# KiCad board AMC_FMC_Carrier-PcbDoc.kicad_pcb (continued)
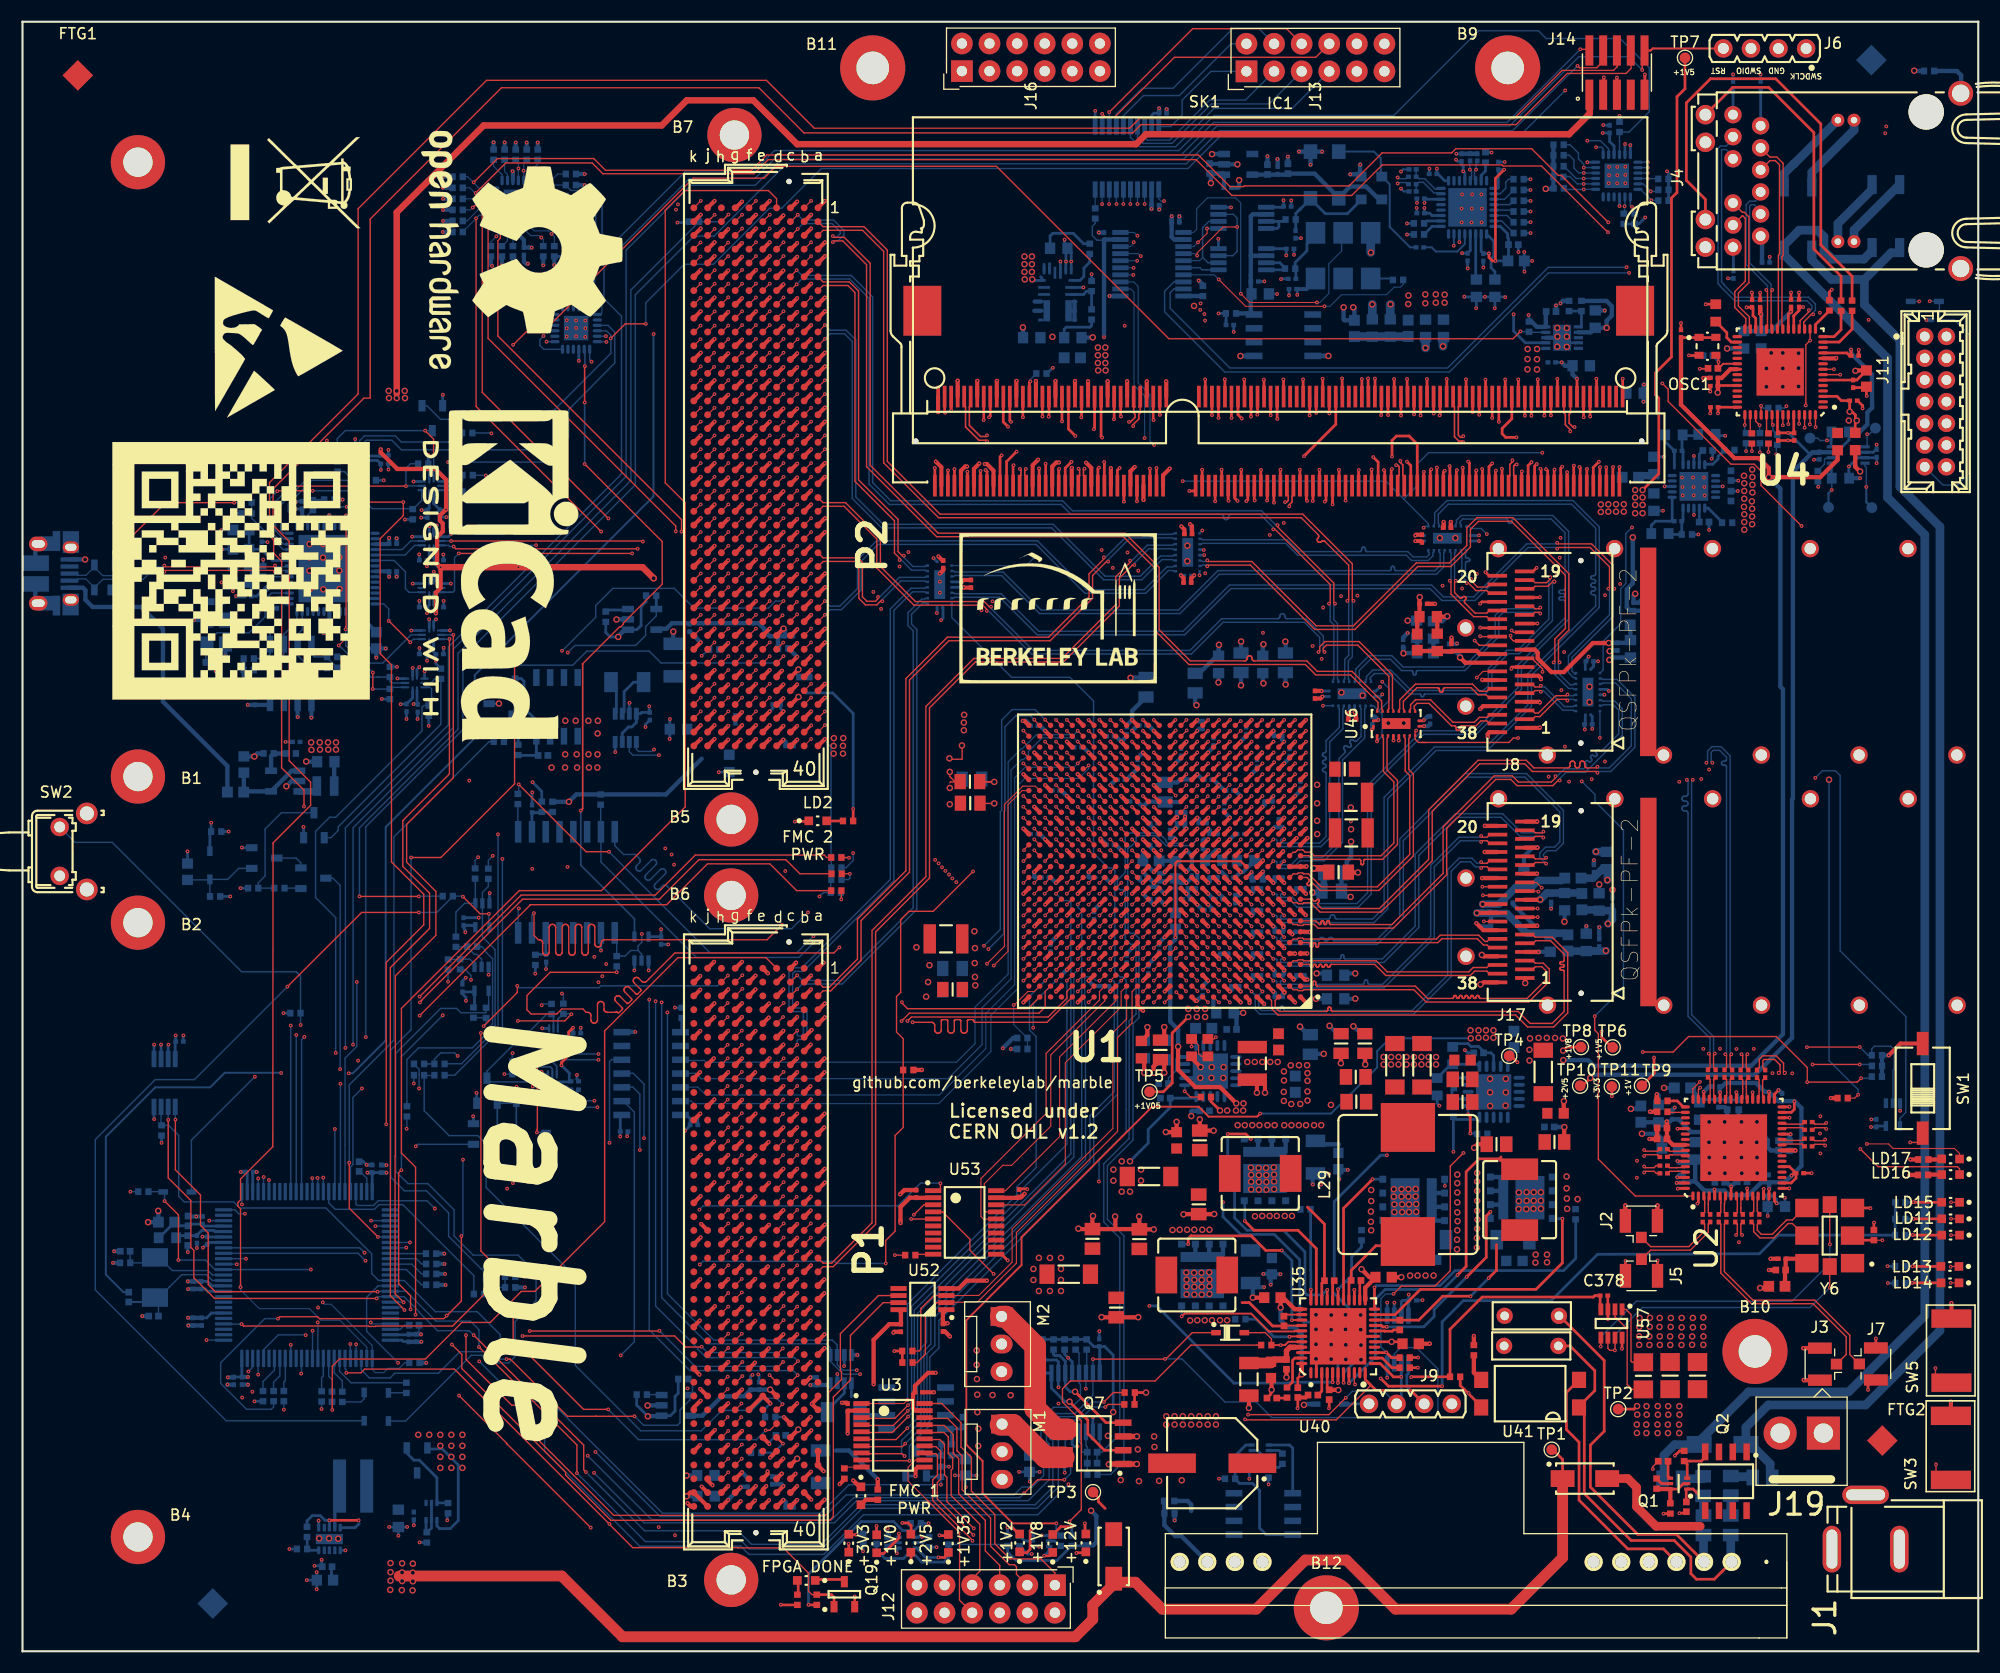
[diagram p0: board, top side]
## Routing (per net, layer and track width the routed paths; a pad name or vN(x,y) marks a point on that pad's centre or on a via; arc(x,y) is an arc through that point) (continued)
/FPGA/QSFP1_TX_2_P: length 39.9
  Top w0.13: U1.A4 114.95,59.9 114.95,59.16 115.55,58.57 137.42,58.57 138.52,57.47 140.92,57.47 142.22,58.76 142.22,64.3 140.77,65.74 139.21,65.74 138.98,65.97 J17.6
/FPGA/QSFP1_TX_3_N: length 19.8
  Top w0.13: U1.F1 118.37,65.23 118.4,65.23 118.43,65.22 118.46,65.2 118.48,65.18 118.49,65.16 118.5,65.13 118.5,65.1 118.5,64.95 118.51,64.92 118.52,64.89 118.53,64.86 118.55,64.84 118.58,64.83 118.61,64.82 118.63,64.82 118.66,64.82 118.69,64.83 118.72,64.84 118.74,64.86 118.75,64.89 118.76,64.92 118.76,64.95 118.76,65.1 118.77,65.13 118.78,65.16 118.79,65.18 118.81,65.2 118.84,65.22 118.87,65.23 118.89,65.23 118.92,65.23 118.95,65.22 118.98,65.2 119,65.18 119.01,65.16 119.02,65.13 119.02,65.1 119.02,64.95 119.03,64.92 119.04,64.89 119.05,64.86 119.07,64.84 119.1,64.83 119.13,64.82 119.15,64.82 119.18,64.82 119.21,64.83 119.24,64.84 119.26,64.86 119.27,64.89 119.28,64.92 119.28,64.95 119.28,65.1 119.29,65.13 119.3,65.16 119.31,65.18 119.33,65.2 119.36,65.22 119.39,65.23 119.41,65.23 130.27,65.23 130.62,65.59 133.89,65.59 134.47,65.01 134.8,65.01 135.03,64.77 J17.34
/FPGA/QSFP1_TX_3_P: length 19.8
  Top w0.13: U1.F2 116.95,65.56 117.33,65.56 117.42,65.65 117.82,65.65 117.91,65.56 130.13,65.56 130.48,65.92 134.03,65.92 134.6,65.34 134.8,65.34 135.03,65.57 J17.33
/FPGA/QSFP2_INT: length 52.5
  Top w0.127: J8.28 134.08,92.6 ; 134.08,92.6 134.05,92.63 ; 134.08,92.6 v1(133.65,93.03)
  In7.Cu w0.127: v1(133.65,93.03) 134.25,93.03 134.87,93.65 134.87,97.4 137.61,100.14 137.61,104.46 141.35,108.19 141.35,109.84 143.34,111.84 143.34,115.5 143.81,115.97 143.81,133.75 143.35,134.2 143.35,134.75 v1(143.68,135.07)
  Bottom w0.127: 141.84,135.75 142.41,135.75 143.09,135.07 v1(143.68,135.07) 143.68,135.07 U34.14
/FPGA/QSFP2_LPMODE: length 54.9
  Top w0.102: J8.31 134.42,90.2 v1(133.85,89.63)
  In7.Cu w0.127: v1(143.7,134.56) 144.37,133.89 144.37,116.42 144.65,116.14 144.65,112.33 142.44,110.12 142.44,108.97 142.5,108.91 142.5,108.17 138.25,103.91 138.25,94.03 v1(133.85,89.63)
  Bottom w0.127: 141.84,134.62 141.89,134.56 v1(143.7,134.56) 143.7,134.57 U34.13
/FPGA/QSFP2_MOD_PRS: length 51.5
  Top w0.127: J8.27 134.18,93.4 v1(134.15,93.43)
  In7.Cu w0.127: v1(143.68,135.57) 143.34,135.23 ; 143.39,135.29 142.95,134.84 142.95,134.1 143.34,133.71 143.34,117.92 142.06,116.64 142.06,113.91 140.67,112.52 140.67,108.3 137.13,104.77 137.13,100.17 134.49,97.53 134.49,93.77 v1(134.15,93.43)
  Bottom w0.127: 141.84,136.75 141.84,136.73 143,135.57 v1(143.68,135.57) 143.69,135.57 U34.15
/FPGA/QSFP2_MOD_SEL: length 58.8
  Top w0.254: J8.8 137.09,90.6 137.03,90.54 v1(137.03,90.44)
  In7.Cu w0.127: v1(137.03,90.44) 137.65,89.82 140.06,89.82 140.24,90 140.24,93.22 142.15,95.13 142.15,106.1 144.34,108.29 144.34,110.5 145.62,111.78 145.62,117.62 145.23,118 145.23,135.03 v1(143.7,136.57)
  Bottom w0.127: 141.84,138.67 142.44,138.67 143.2,137.9 143.2,137.38 143.7,136.88 v1(143.7,136.57) U34.17
/FPGA/QSFP2_RST: length 56
  Top w0.127: v1(139.9,90.16) 139.9,90.41 138.91,91.4 J8.9
  In7.Cu w0.127: v1(143.7,136.09) 144.17,135.62 144.18,135.62 144.93,134.86 144.93,117.74 145.19,117.48 145.19,112.14 143.65,110.6 143.65,108.54 138.91,103.8 138.91,91.15 v1(139.9,90.16)
  Bottom w0.127: 141.84,137.73 142.34,137.73 142.79,137.27 142.79,136.52 143.23,136.09 v1(143.7,136.09) 143.71,136.07 U34.16
/FPGA/QSFP2_RX_0_N: length 28.6
  Top w0.13: J8.18 138.97,98.6 139.21,98.37 140.26,98.37 140.6,98.7 v1(140.6,98.85)
  Bottom w0.13: U48.18 123.61,89.41 123.69,89.5 123.69,89.73 124.29,90.33 125.92,90.33 127.8,88.45 134.47,88.45 134.91,88.88 134.91,90.46 136.61,92.15 137.62,92.15 140.47,95.01 140.47,98.49 140.6,98.61 v1(140.6,98.85)
/FPGA/QSFP2_RX_0_P: length 28.9
  Top w0.13: J8.17 138.97,97.8 139.21,98.04 140.4,98.04 140.83,98.47 v1(140.98,98.47)
  Bottom w0.13: U48.19 124.11,89.41 124.03,89.5 124.03,89.6 124.42,90 125.79,90 127.67,88.12 128.58,88.12 128.61,88.11 128.64,88.1 128.66,88.09 128.68,88.07 128.7,88.05 128.71,88.02 128.71,87.96 128.72,87.94 128.74,87.91 128.76,87.89 128.78,87.88 128.81,87.87 128.83,87.87 128.84,87.87 128.87,87.87 128.9,87.88 128.92,87.89 128.94,87.91 128.96,87.94 128.97,87.96 128.97,88.02 128.98,88.05 129,88.07 129.02,88.09 129.04,88.1 129.07,88.11 129.09,88.12 134.61,88.12 135.24,88.75 135.24,90.32 136.74,91.82 137.76,91.82 140.8,94.87 140.8,98.44 140.83,98.47 v1(140.98,98.47)
/FPGA/QSFP2_RX_1_N: length 6.4
  Top w0.13: v1(133.31,98.71) 133.31,98.56 133.9,97.97 134.78,97.97 135.01,98.2 J8.21
  Bottom w0.13: U50.12 132.89,101.18 132.8,101.1 132.8,100.77 132.81,100.73 132.82,100.7 132.84,100.67 132.86,100.65 132.89,100.63 132.92,100.62 132.95,100.62 133.06,100.62 133.09,100.61 133.12,100.6 133.15,100.58 133.17,100.56 133.19,100.53 133.2,100.5 133.21,100.47 133.2,100.43 133.19,100.4 133.17,100.37 133.15,100.35 133.12,100.33 133.09,100.32 133.06,100.32 132.95,100.32 132.92,100.31 132.89,100.3 132.86,100.28 132.84,100.26 132.82,100.23 132.81,100.2 132.8,100.17 132.8,99.07 133.16,98.71 v1(133.31,98.71)
/FPGA/QSFP2_RX_1_P: length 6.4
  Top w0.13: v1(132.92,98.32) 133.08,98.32 133.77,97.64 134.78,97.64 135.01,97.4 J8.22
  Bottom w0.13: U50.13 132.39,101.18 132.47,101.1 132.47,98.93 132.92,98.48 v1(132.92,98.32)
/FPGA/QSFP2_RX_2_N: length 9.4
  Top w0.13: J8.24 135.01,95.8 134.78,95.57 133.69,95.57 132.75,96.5 132.73,96.53 132.71,96.57 132.7,96.6 132.7,96.64 132.71,96.68 132.73,96.72 132.75,96.75 132.81,96.8 132.83,96.83 132.85,96.87 132.86,96.9 132.86,96.94 132.85,96.98 132.83,97.02 132.81,97.05 132.77,97.07 132.74,97.09 132.7,97.1 132.66,97.1 132.62,97.09 132.59,97.07 132.56,97.05 132.5,97 132.47,96.97 132.44,96.95 132.4,96.95 132.36,96.95 132.32,96.95 132.29,96.97 132.26,97 131.8,97.45 131.8,98.43 v1(131.91,98.54)
  Bottom w0.13: v1(131.91,98.54) 131.8,98.65 131.8,101.1 131.89,101.18 U50.14
/FPGA/QSFP2_RX_2_P: length 9.4
  Top w0.13: J8.25 135.01,95 134.78,95.24 133.55,95.24 131.47,97.31 131.47,98.43 v1(131.36,98.54)
  Bottom w0.13: U50.15 131.39,101.18 131.47,101.1 131.47,98.65 v1(131.36,98.54)
/FPGA/QSFP2_RX_3_N: length 24.1
  Top w0.13: J8.15 138.97,96.2 139.21,95.97 139.58,95.97 v1(139.69,96.08)
  Bottom w0.13: v1(139.69,96.08) 139.58,95.97 136.15,95.97 135.54,95.36 135.54,93.53 132.62,90.6 127.07,90.6 126.02,91.65 123.93,91.65 122.69,90.41 122.69,89.5 122.61,89.41 U48.16
/FPGA/QSFP2_RX_3_P: length 24.1
  Top w0.13: J8.14 138.97,95.4 139.21,95.64 139.58,95.64 v1(139.69,95.53)
  Bottom w0.13: v1(139.69,95.53) 139.58,95.64 136.29,95.64 135.87,95.22 135.87,93.39 132.76,90.27 128.42,90.27 128.39,90.27 128.36,90.26 128.33,90.24 128.31,90.22 128.29,90.19 128.28,90.16 128.27,90.12 128.27,90.02 128.27,89.99 128.26,89.96 128.24,89.93 128.22,89.9 128.19,89.89 128.16,89.88 128.12,89.87 128.09,89.88 128.06,89.89 128.03,89.9 128.01,89.93 127.99,89.96 127.98,89.99 127.97,90.02 127.97,90.12 127.97,90.16 127.96,90.19 127.94,90.22 127.92,90.24 127.89,90.26 127.86,90.27 127.82,90.27 126.93,90.27 125.89,91.32 124.07,91.32 123.03,90.27 123.03,89.5 123.11,89.41 U48.17
/FPGA/QSFP2_TX_0_N: length 10
  Top w0.13: 128.17,86.5 128.17,86.67 128.09,86.76 128.09,87 128.34,87.26 129.45,87.26 131.52,85.19 131.77,85.19 131.81,85.18 131.85,85.17 131.88,85.15 131.91,85.12 131.93,85.09 131.94,85.05 131.94,85.01 131.94,84.94 131.95,84.9 131.96,84.86 131.98,84.83 132.01,84.8 132.04,84.78 132.08,84.76 132.12,84.76 132.16,84.76 132.2,84.78 132.23,84.8 132.26,84.83 132.28,84.86 132.29,84.9 132.29,84.94 132.29,85.01 132.3,85.05 132.31,85.09 132.33,85.12 132.36,85.15 132.39,85.17 132.43,85.18 132.47,85.19 133.77,85.19 134.22,85.64 134.78,85.64 135.01,85.4 J8.37
/FPGA/QSFP2_TX_0_P: length 10
  Top w0.13: J8.36 135.01,86.2 134.78,85.97 134.08,85.97 133.63,85.52 131.66,85.52 129.59,87.59 128.2,87.59 127.75,87.14 127.75,86.76 127.67,86.67 127.67,86.5
/FPGA/QSFP2_TX_1_N: length 5.6
  Top w0.13: v1(142.19,87.52) 142.08,87.63 141.25,87.63 139.66,86.04 139.21,86.04 138.97,85.8 J8.2
  Bottom w0.13: v1(142.19,87.52) 142.3,87.63 142.73,87.63 142.81,87.54 142.98,87.54
/FPGA/QSFP2_TX_1_P: length 5.6
  Top w0.13: J8.3 138.97,86.6 139.21,86.37 139.52,86.37 141.11,87.96 142.08,87.96 v1(142.19,88.07)
  Bottom w0.13: v1(142.19,88.07) 142.3,87.96 142.73,87.96 142.81,88.04 142.98,88.04
/FPGA/QSFP2_TX_2_N: length 5.7
  Top w0.13: J8.5 138.97,88.2 139.21,88.44 139.63,88.44 v1(139.74,88.33)
  Bottom w0.13: 142.98,86.54 142.81,86.54 142.73,86.63 141.78,86.63 139.97,88.44 139.85,88.44 v1(139.74,88.33)
/FPGA/QSFP2_TX_2_P: length 5.7
  Top w0.13: v1(139.74,88.88) 139.63,88.77 139.21,88.77 138.97,89 J8.6
  Bottom w0.13: v1(139.74,88.88) 139.85,88.77 140.1,88.77 141.91,86.96 142.73,86.96 142.81,87.04 142.98,87.04
/FPGA/QSFP2_TX_3_N: length 11.1
  Top w0.13: 127.17,86.5 127.17,86.67 127.09,86.76 127.09,87.44 128.34,88.7 130.23,88.7 130.27,88.69 130.31,88.68 130.34,88.66 130.37,88.63 130.39,88.6 130.4,88.56 130.41,88.52 130.41,88.45 130.41,88.41 130.42,88.37 130.44,88.34 130.47,88.31 130.5,88.29 130.54,88.27 130.58,88.27 130.62,88.27 130.66,88.29 130.69,88.31 130.72,88.34 130.74,88.37 130.75,88.41 130.76,88.45 130.76,88.52 130.76,88.56 130.77,88.6 130.79,88.63 130.82,88.66 130.85,88.68 130.89,88.69 130.93,88.7 133.31,88.7 133.97,88.04 134.71,88.04 134.95,87.8 J8.34
/FPGA/QSFP2_TX_3_P: length 11.1
  Top w0.13: 126.67,86.5 126.67,86.67 126.75,86.76 126.75,87.58 128.2,89.03 133.45,89.03 134.11,88.37 134.74,88.37 134.97,88.6 J8.33
/FPGA/Self_FPGA_TCK: length 65.7
  Top w0.102: v1(89.39,63.12) 90.7,64.43 90.7,77.93 92,79.23 U1.Y26
  In2.Cu w0.127: v1(53.01,54.98) v1(53.01,61.59)
  In4.Cu w0.127: v1(89.39,63.12) 88.96,62.69 68.83,62.69 68.77,62.75 58.21,62.75 57.04,61.59 v1(53.01,61.59)
  Bottom w0.127: U8.8 49.27,55.52 49.27,55.11 49.4,54.98 v1(53.01,54.98)
/FPGA/Self_FPGA_TDI: length 68.5
  Top w0.102: U1.Y25 93.22,79.63 92.06,79.63 90.37,77.94 90.37,64.89 v1(88.77,63.29)
  In2.Cu w0.127: v1(53.36,62.14) 53.36,54.8 v1(53.01,54.45)
  In4.Cu w0.127: v1(53.36,62.14) 54.24,63.02 82.07,63.02 82.87,63.81 88.24,63.81 v1(88.77,63.29)
  Bottom w0.127: v1(53.01,54.45) 49.32,54.45 48.87,54.91 U8.9
/FPGA/Self_FPGA_TDO: length 79.4
  Top w0.11: v1(93.12,85.75) 93.12,85.73 U1.AF25
  In2.Cu w0.127: v1(52.91,50.08) 53.72,50.89 v1(53.72,63.26)
  In4.Cu w0.127: v1(53.72,63.26) 54.06,63.6 56.86,63.6 57.07,63.82 82.19,63.82 82.63,64.26 88.53,64.26 v1(88.9,64.63)
  Bottom w0.127: U9.9 48.77,50.61 49.3,50.08 v1(52.91,50.08) ; v1(88.9,64.63) 90.32,66.06 90.32,77.28 90.42,77.38 90.42,85.11 91.42,86.11 92.76,86.11 v1(93.12,85.75)
/FPGA/Self_FPGA_TMS: length 80.5
  Top w0.11: v1(94.12,85.75) 94.12,85.73 U1.AF24
  In2.Cu w0.127: v1(52.63,63.92) 52.63,50.68 v1(52.64,50.67)
  In4.Cu w0.127: v1(88.49,64.94) 88.24,64.94 87.91,65.27 82.01,65.27 80.95,64.2 54.33,64.2 54.05,63.92 v1(52.63,63.92)
  Bottom w0.127: v1(94.12,85.75) 93.19,86.68 91.08,86.68 90.12,85.72 90.12,77.4 89.99,77.28 89.99,66.44 v1(88.49,64.94) ; v1(52.64,50.67) 49.8,50.67 U9.8
/FPGA/SI570_CLK_N: length 7.1
  Top w0.13: C85.2 159.33,39.32 159.33,38.62 159.9,38.05 161.18,38.05 162.5,39.37 162.9,39.37 164,38.27 Y6.5
/FPGA/SI570_CLK_P: length 6.6
  Top w0.13: Y6.4 164,40.81 162.9,39.7 162.36,39.7 161.04,38.38 160.03,38.38 159.66,38.76 159.66,39.32 C97.2
/FPGA/SI570_OE: length 231.4
  Top w0.102: v1(171.17,37.84) 170.4,37.84 R32.2
  Top w0.254: R32.2 168.86,37.84 Y6.2
  In2.Cu w0.102: v1(52.94,125.09) 52.77,125.26 52.77,127.23 59.6,134.06 91.87,134.06 96.17,138.37 126.49,138.37 126.85,138 131.63,138 131.92,138.29 143.81,138.29 144.12,137.99 150.77,137.99 152.71,136.05 152.71,128.93 153.84,127.8 168.65,127.8 172.97,123.49 172.97,104.66 175.32,102.31 175.32,43.55 171.17,39.4 v1(171.17,37.84)
  Bottom w0.102: U39.1 52.93,123.08 53.21,123.08 53.32,123.19 53.32,123.96 52.98,124.3 52.98,125.05 v1(52.94,125.09)
/FPGA/VCXO_EN: length 31.1
  Top w0.102: v1(119.14,124.16) 112.93,124.16 v1(112.13,124.96)
  Bottom w0.102: v1(119.14,124.16) 119.15,124.15 119.39,124.15 120.23,124.98 120.23,127.71 121.4,128.89 ; v1(112.13,124.96) 112.12,124.97 112.12,133.32 111.66,133.78 109.06,133.78 108.06,132.78 108.06,130.89 107.77,130.6 106.92,130.6
  Bottom w0.127: Y3.2 121.4,130.43 121.4,128.89
/FPGA/VREF_DDR3: length 11.8
  Top w0.254: U1.W8 v1(111.12,78.73) ; U1.AE11 v1(108.12,84.73) ; U1.AD3 v1(116.12,83.73) ; U1.W4 v1(115.12,78.73) ; v1(123.83,117.16) 123.84,117.15 123.84,115.53 ; v1(83.96,108.92) 83.97,108.91 SK1.1 ; U1.Y18 v1(100.12,79.73) ; U1.AE16 v1(102.12,84.73)
  Bottom w0.4: v1(100.12,79.73) 100.62,80.23 C16.1 ; v1(108.12,84.73) 108.3,84.91 C17.1 ; v1(102.12,84.73) 102.62,85.23 C15.1 ; v1(116.12,83.73) 115.92,83.93 C14.1 ; v1(111.12,78.73) 110.61,78.22 C19.1 ; v1(115.12,78.73) 115.03,78.64 C18.1
  vias: v2(138.52,119.87) v2(138.51,118.94) v2(138.51,118) v2(139.39,119.87) v2(139.39,118.93) v2(139.39,117.99)
/FPGA/WR_DAC1_SYNC: length 4.1
  Top w0.102: v1(109.02,130.97) 109.02,130.53 v1(108.19,129.7)
  Bottom w0.102: v1(108.19,129.7) 107.79,129.3 106.92,129.3
  Bottom w0.127: U19.5 109.02,130.97 v1(109.02,130.97)
/FPGA/WR_DAC2_SYNC: length 3.2
  Bottom w0.127: 106.92,127.35 108.37,127.35 108.56,127.16 U16.5
/FPGA/WR_DAC_DIN: length 13
  Top w0.102: v1(111.79,131.11) 110.5,131.11 108.11,128.72 v1(108.11,128.48)
  Bottom w0.102: 106.92,128.65 107.94,128.65 v1(108.11,128.48)
  Bottom w0.127: U16.7 111.4,128.46 111.79,128.85 v1(111.79,131.11) 111.79,131.92 111.44,132.27 U19.7
/FPGA/WR_DAC_SCLK: length 7.9
  Bottom w0.102: 108.61,128.31 108.61,128.28 108.34,128 106.92,128
  Bottom w0.127: U16.6 109.12,127.81 108.61,128.31 108.61,131.04 109.19,131.62 U19.6
/FPGA_RTS: length 98.9
  Top w0.102: U1.M16 102.62,71.24 v1(102.13,71.73)
  Top w0.127: v1(56.11,101.06) v1(40.15,101.06)
  In2.Cu w0.127: v1(59.15,73.9) 59.15,81.35 58.91,81.59 58.91,92.74 56.11,95.55 v1(56.11,101.06)
  In9.Cu w0.127: 91.95,69.35 92.08,69.35 ; 92.08,69.35 101.28,69.35 101.5,69.56 101.5,71.1 v1(102.13,71.73) ; 92.08,69.35 83.72,69.35 78.2,74.87 75.28,74.87 74.22,73.81 59.5,73.81 59.4,73.9 v1(59.15,73.9)
  Bottom w0.118: U15.5 39.54,97.48
  Bottom w0.127: 39.27,97.48 39.45,97.48 ; 39.45,97.48 39.6,97.48 39.76,97.64 ; 39.45,97.48 U15.5 ; 39.76,97.64 39.76,100.66 v1(40.15,101.06) ; 39.76,97.64 39.75,97.63
/FPGA_RxD: length 94.3
  Top w0.102: U1.K15 v1(103.12,68.73)
  Top w0.127: v1(39.67,101.69) 39.89,101.48 56.6,101.48 v1(56.61,101.49)
  In2.Cu w0.127: v1(59.74,73.35) 59.74,74.11 59.69,74.16 59.69,82.8 59.22,83.27 59.22,93.19 56.61,95.8 v1(56.61,101.49)
  In9.Cu w0.102: v1(103.12,68.73) 103.12,68.73
  In9.Cu w0.127: v1(59.74,73.35) 74.47,73.35 75.31,74.18 77.14,74.18 82.22,69.1 102.75,69.1 v1(103.12,68.73)
  Bottom w0.127: U38.5 39.21,101.8 39.32,101.69 v1(39.67,101.69)
/FPGA_TxD: length 100.5
  Top w0.11: U1.C16 v1(102.12,61.73)
  Top w0.127: v1(39.44,102.2) 57.05,102.2 v1(57.1,102.15)
  In2.Cu w0.127: v1(59.97,72.41) 60.14,72.58 60.14,86.4 59.64,86.91 59.64,93.46 57.1,96 v1(57.1,102.15)
  In9.Cu w0.11: v1(102.12,61.73) 102.48,62.09 102.48,66.9 102.28,67.1 90.66,67.1
  In9.Cu w0.127: v1(59.97,72.41) 66.85,72.41 70.79,68.47 77.57,68.47 78.94,67.1 90.66,67.1
  Bottom w0.127: U38.4 v1(39.44,102.2)
/I2C_MUX/QSFP1_SCL: length 195
  Top w0.102: v1(139.52,69.93) 139.47,69.97 J17.11
  In4.Cu w0.102: v1(46.11,136.29) 47.94,134.46 48.54,134.46 50.57,136.49 57.02,136.49 v1(60.32,133.19)
  In7.Cu w0.102: v1(60.32,133.19) 60.5,133.01 72.59,133.01 75.54,135.96 79.72,135.96 83.2,139.43 149.38,139.43 152.73,136.08 152.73,129.67 157.55,124.84 157.55,110.87 157.26,110.58 157.26,102.9 157.79,102.37 157.79,96.73 155.97,94.87 155.97,84.46 146.89,75.38 145.23,75.38 143.06,73.2 143.06,71.78 141.2,69.93 v1(139.52,69.93)
  Bottom w0.102: v1(46.11,136.29) 46.13,136.27 46.14,136.27 ; 46.14,136.27 46.14,137.02 R53.1 ; 46.14,136.27 U5.11
/I2C_MUX/QSFP1_SDA: length 193.7
  Top w0.102: v1(139.82,70.28) 139.33,70.77 J17.12
  In4.Cu w0.102: v1(60.14,132.71) 57.44,135.41 50.3,135.41 48.9,134.01 47.87,134.01 45.64,136.24 v1(45.64,136.49)
  In7.Cu w0.102: v1(139.82,70.28) 140,70.46 141.28,70.46 142.43,71.61 142.43,73.36 144.98,75.91 146.76,75.91 155.42,84.6 155.42,95.24 157.08,96.88 157.07,96.89 157.07,102.14 156.15,103.05 156.15,112.04 156.47,112.36 156.47,119.66 155.67,120.46 155.67,126.28 152.27,129.68 152.27,135.83 150.14,137.96 135.69,137.96 134.99,138.67 83.36,138.67 80.01,135.33 76.58,135.33 73.96,132.71 v1(60.14,132.71)
  Bottom w0.102: 45.64,136.52 45.64,136.49 v1(45.64,136.49) ; 45.64,136.52 45.64,137.04 R54.1 ; 45.64,136.52 U5.10
/I2C_MUX/QSFP2_SCL: length 166.1
  Top w0.127: v1(136.95,93.49) 136.95,93.26 137.22,93 J8.11
  In4.Cu w0.102: v1(48.41,135.17) 50.4,137.16 60.74,137.16 61.84,136.06 68.02,136.06 70.65,138.69 81.49,138.69 81.59,138.79 125.5,138.79 128.2,141.49 145.61,141.49 147.59,139.51 148.94,139.51 151.69,136.77 151.69,116.6 147.6,112.51 147.6,112.31 ; 144.83,101.21 144.83,97.93 142.11,95.22 139.86,95.22 139.85,95.2 139.53,95.2 139.51,95.22 137.51,95.22 136.65,94.35 136.65,93.79 v1(136.95,93.49)
  In4.Cu w0.112: 147.6,112.31 147.6,108.98 144.6,105.98 144.6,101.44 144.83,101.21
  Bottom w0.102: R55.1 49.25,135.98 47.96,134.69 U5.13
/I2C_MUX/QSFP2_SDA: length 167.1
  Top w0.127: v1(137.06,93.97) 137.06,93.96 137.22,93.8 J8.12
  In4.Cu w0.102: v1(137.06,93.97) 141.68,93.97 145.41,97.7 145.41,98.52 147.7,100.81 147.7,103.5 148.18,103.98 149.3,103.98 152.31,106.99 152.31,120.96 152.32,136.9 147.15,142.07 126.92,142.07 124.38,139.53 70.88,139.53 67.81,136.46 62.06,136.46 60.88,137.63 48.03,137.63 v1(46.81,136.41)
  Bottom w0.102: U5.12 46.64,135.57 46.63,135.58 46.63,136.24 47.06,136.67 47.19,136.67 47.42,136.9 R56.1
/JTAG/FMC1_TDI_R: length 2.9
  Bottom w0.127: R237.2 40.26,63.68 R277.2 41.17,63.71 41.6,63.28 U10.1
/JTAG/FMC1_TDO_R: length 3.6
  Bottom w0.127: R238.2 40.88,64.84 R278.2 40.9,64.84 41.59,64.15 41.81,64.15 42.25,63.71 U10.2
/JTAG/FMC2_TDI_R: length 6.7
  Bottom w0.127: R238.1 39.89,68.05 40.68,68.84 U7.1 41.68,71.1 R279.2
/JTAG/FMC2_TDO_R: length 27.9
  Bottom w0.127: R275.1 35.38,54.47 36.45,55.54 41.4,55.54 43.49,57.64 43.49,64.6 42.33,65.76 U7.2 42.33,69.85 42.87,70.4 R280.2 42.85,71.1
/JTAG/JTAG_TCK: length 240.5
  Top w0.127: v1(50.52,58.64) 49.91,58.03 v1(45.59,58.03)
  In7.Cu w0.127: J11.6 178.2,118.16 178.2,122.27 176.72,123.75 173.95,123.75 171.07,126.63 171.07,132.63 160.22,143.48 151.76,143.48 149.12,140.84 82.24,140.84 78.74,137.33 70.51,137.33 67.82,134.64 58.32,134.64 44.22,120.54 v1(44.22,106.75) 51.43,99.53 51.43,91.18 44.64,84.38 44.64,59.13 44.62,59.12 44.62,58.99 v1(45.59,58.03)
  Bottom w0.127: v1(44.22,106.75) 44.21,106.73 R230.2 ; v1(50.52,58.64) 50.48,58.68 R229.2
  Bottom w0.15: U8.5 49.27,58.18 49.76,58.68 R229.2
/JTAG/JTAG_TDI: length 248.2
  GND5.Cu w0.127: v1(42.64,108.23) 42.62,108.26
  In7.Cu w0.127: v1(44.42,57.12) 43.62,57.92 43.62,74.84 43.42,75.04 43.42,84.21 50.53,91.31 50.53,99.14 43.91,105.76 43.91,105.86 42.64,107.13 v1(42.64,108.23) 42.64,121.12 48.75,127.23 49.06,127.23 57.88,136.06 67.08,136.06 69.94,138.92 77.9,138.92 81.97,142.99 128.74,142.99 129.54,142.19 141.48,142.19 142.26,142.98 148.64,142.99 150.24,144.59 161.24,144.59 172.34,133.49 172.34,127.9 174.9,125.34 177.05,125.34 179.05,123.33 179.05,115.01 J11.10
  Bottom w0.127: R231.2 42.62,108.26 v1(42.64,108.23) ; v1(44.42,57.12) 46.72,57.12 48.25,58.65 R215.2
  Bottom w0.15: U8.4 48.87,58.47 R215.2
/JTAG/JTAG_TDO: length 253
  In2.Cu w0.127: v1(46.81,53.43) 46.3,53.94 46.3,59.76 45.16,60.9 45.16,83.23 45.82,83.89 45.82,95.77 46.02,95.98 46.02,102.1 46.63,102.71 46.63,123.79 v1(47.6,124.76)
  In7.Cu w0.127: v1(43.15,112.11) 43.15,120.34 57.96,135.14 67.23,135.14 70.25,138.16 78.38,138.16 82.55,142.33 104.36,142.33 104.43,142.41 104.76,142.41 104.83,142.33 127.81,142.33 128.67,141.47 143.91,141.47 144.75,142.31 149.32,142.33 151.03,144.03 160.6,144.03 171.65,132.98 171.65,127.54 174.38,124.81 176.67,124.81 178.5,122.98 178.5,116.45 J11.8
  Bottom w0.127: R233.2 43.11,112.14 v1(43.15,112.11) ; 46.76,53.43 v1(46.81,53.43)
  Bottom w0.15: U9.4 48.77,53.61 48.59,53.79 47.11,53.79 46.45,53.13 R216.2
/JTAG/JTAG_TMS: length 232.9
  In2.Cu w0.127: v1(47.02,54.35) 46.84,54.52 46.84,60.76 46.02,61.59 46.02,82.54 46.58,83.1 46.58,102 47.09,102.5 v1(47.09,110.56)
  In7.Cu w0.127: v1(47.09,110.56) 46.91,110.73 46.91,122.37 58.57,134.03 72.26,134.03 74.85,136.62 79.18,136.62 82.58,140.02 145.19,140.02 145.27,140.1 149.78,140.1 152.6,142.92 159.94,142.92 170.38,132.48 170.38,126.09 173.33,123.14 175.51,123.14 176.04,122.61 176.04,120.06 J11.4
  Bottom w0.127: 46.73,54.27 46.73,54.31 46.77,54.35 v1(47.02,54.35) ; v1(47.09,110.56) 47.05,110.59 R232.2
  Bottom w0.15: R228.2 46.73,54.27 46.81,54.35 48.68,54.35 49.17,53.86 U9.5
/LPC_RST: length 237.4
  Top w0.127: v1(13.08,41.44) 14.35,40.17 v1(14.35,36.01) ; 149.32,147.46 149.07,147.21 v1(149.07,145.56)
  Top w0.2: J6.4 150.04,147.54 149.86,147.35 J14.10
  In2.Cu w0.127: v1(30.43,55.85) 30.43,43.92 26.54,40.03 v1(26.54,35.14)
  Bottom w0.127: R138.1 12.92,42.31 D3.2 13.08,42.15 v1(13.08,41.44) ; v1(149.07,145.56) 147.85,146.78 143.24,146.78 136.87,140.4 109.93,140.4 106.88,137.35 69.85,137.35 67.43,134.94 61.52,134.94 55.55,128.97 55.55,108.14 39.65,92.24 39.65,85.03 30.43,75.81 v1(30.43,55.85) ; v1(26.54,35.14) 26.53,35.14 U54.14 17.71,35.14 16.84,36.01 v1(14.35,36.01)
/MMC/AT_DET: length 128
  Top w0.127: 132.71,24.09 132.86,23.94 132.92,23.94 v1(133.09,23.76)
  Top w0.254: U41.4 134.25,22.54 132.32,24.48 R179.2
  In2.Cu w0.127: v1(133.09,23.76) 133.09,22.44 131.7,21.05 113.31,21.05 106.65,14.39 104.95,14.39 98.45,7.89 80.06,7.89 78.17,9.77 76.45,9.77 75.94,9.26 67.46,9.26 66.55,10.18 54.96,10.18 42.29,22.85 38.28,22.85 v1(34.57,26.56)
  Bottom w0.127: U54.65 32.73,33.64 31.67,32.58 31.67,29.45 v1(34.57,26.56)
/MMC/BOOT_MODE0: length 71.6
  Top w0.127: v1(36.55,60.26) 45.89,69.61 58.24,69.61 61.92,73.29 73.79,73.29 74.01,73.07 R286.2
  In4.Cu w0.127: v1(24.69,57.6) 27.35,60.26 v1(36.55,60.26)
  Bottom w0.127: 24.68,42.31 24.68,42.33 24.69,42.33 v1(24.69,57.6)
/MMC/BOOT_MODE1: length 71.2
  Top w0.127: v1(36.57,59.73) 36.75,59.91 36.75,59.95 46.03,69.23 58.62,69.23 62.25,72.86 70.25,72.86 71.55,71.57
  Top w0.13: R287.2 71.55,71.57
  In4.Cu w0.127: v1(25.19,56.73) 26.18,57.72 26.18,58.23 27.68,59.73 v1(36.57,59.73)
  Bottom w0.127: 25.18,42.31 25.19,42.32 v1(25.19,56.73)
/MMC/BOOT_MODE2: length 70.5
  Top w0.127: 72.74,70.02 71.24,70.02 68.78,72.48 63.04,72.48 59.28,68.72 46.71,68.72 46.71,68.67 v1(36.55,58.51)
  Top w0.13: R288.2 72.74,70.02
  In4.Cu w0.127: v1(36.55,58.51) 27.9,58.51 v1(25.94,56.56)
  Bottom w0.127: v1(25.94,56.56) 25.68,56.3 25.68,42.31
/MMC/EN_FMC1_P12V: length 66.8
  In2.Cu w0.127: v1(42.03,26.69) 42.01,26.71 42.01,27.4 35.66,33.75 v1(35.66,37.63)
  Bottom w0.127: v1(42.03,26.69) 45.69,23.03 48.58,23.03 58.89,12.72 73.45,12.72 76.07,15.33 v1(84.53,15.33) R188.1 ; U54.57 34.39,37.64 34.39,37.63 v1(35.66,37.63)
  Bottom w0.254: R188.1 83.27,16.06 Q8.1
/MMC/EN_FMC2_P12V: length 55.4
  Top w0.127: v1(30.07,44.97) 30.07,40.78 v1(32.71,38.14)
  Bottom w0.127: Q9.1 42.94,84.87 43.37,84.45 R201.1 42.95,83.73 34.19,74.97 34.19,56.25 30.07,52.14 v1(30.07,44.97) ; U54.56 33.85,38.14 v1(32.71,38.14)
/MMC/EN_PSU_CH: length 112.3
  Top w0.127: v1(40.18,23.54) 44.55,19.17 44.55,19.09 44.58,19.09 v1(52.3,11.38) ; R245.2 107.54,28.18 104.24,24.88 96.44,24.88 95.71,24.16 95.71,22.94 97.44,21.22 97.44,13.03 v1(96.36,11.95)
  In2.Cu w0.127: v1(35.32,37.15) 35.32,33.45 40.18,28.59 v1(40.18,23.54)
  In4.Cu w0.127: v1(96.36,11.95) 96.19,12.13 85.39,12.13 ; 85.39,12.13 81.16,12.13 81.14,12.15 55.52,12.15 54.75,11.38 52.3,11.38 v1(52.3,11.38) ; 85.39,12.13 85.15,12.13
  Bottom w0.127: v1(35.32,37.15) 35.3,37.14 U54.58
/MMC/HW_ID0: length 3.3
  Bottom w0.127: R144.1 33.89,36.6 U54.59
/MMC/HW_ID1: length 3.5
  Bottom w0.127: R146.1 36.73,35.65 36.24,36.14 U54.60
/MMC/HW_ID2: length 3.7
  Bottom w0.127: R147.1 36.73,34.74 35.83,35.64 U54.61
/MMC/HW_ID3: length 3.9
  Bottom w0.127: U54.62 35.33,35.14 36.73,33.73 R158.1
/MMC/I2C_PM_SCL: length 160.6
  Top w0.127: v1(51.85,16.5) 51.65,16.7 51.65,18.97 v1(41.53,29.1) ; v1(121.79,23.33) 120.24,21.78 v1(112.8,21.78) ; v1(32.6,32.48) 17.68,32.48 15.77,34.38 15.77,36.9 15.49,37.18 15.49,41.49 13.41,43.58 v1(13.41,48.91) ; v1(99.53,22.94) 100.4,23.82 R14.2
  Top w0.254: U35.12 124.95,26.49 126.19,25.26 v1(126.89,25.26)
  In2.Cu w0.127: v1(112.8,21.78) 112.8,21.78 111.64,22.94 v1(99.53,22.94)
  Bottom w0.127: v1(121.79,23.33) 122.4,23.94 125.3,23.94 J9.2 ; v1(41.53,29.1) 41.12,29.51 40.92,29.51 ; U28.2 13.4,48.92 v1(13.41,48.91) ; 40.92,29.51 38.2,29.51 36.51,31.2 36.51,31.26 35.13,32.64 U54.67 32.74,32.64 32.6,32.49 v1(32.6,32.48) ; 40.92,29.51 41.07,29.51 ; v1(99.53,22.94) 98.41,22.94 97.07,21.6 95.2,21.6 94.7,21.1 U27.16 94.83,20.07 94.83,15.12 93.2,13.49 77.16,13.49 73.52,9.85 67.09,9.85 65.85,11.09 57.26,11.09 v1(51.85,16.5)
  Bottom w0.254: J9.2 126.9,23.21 U29.2 126.89,26.48 v1(126.89,25.26)
